# KiCad board Teensy_Grovebox.kicad_pcb (continued)
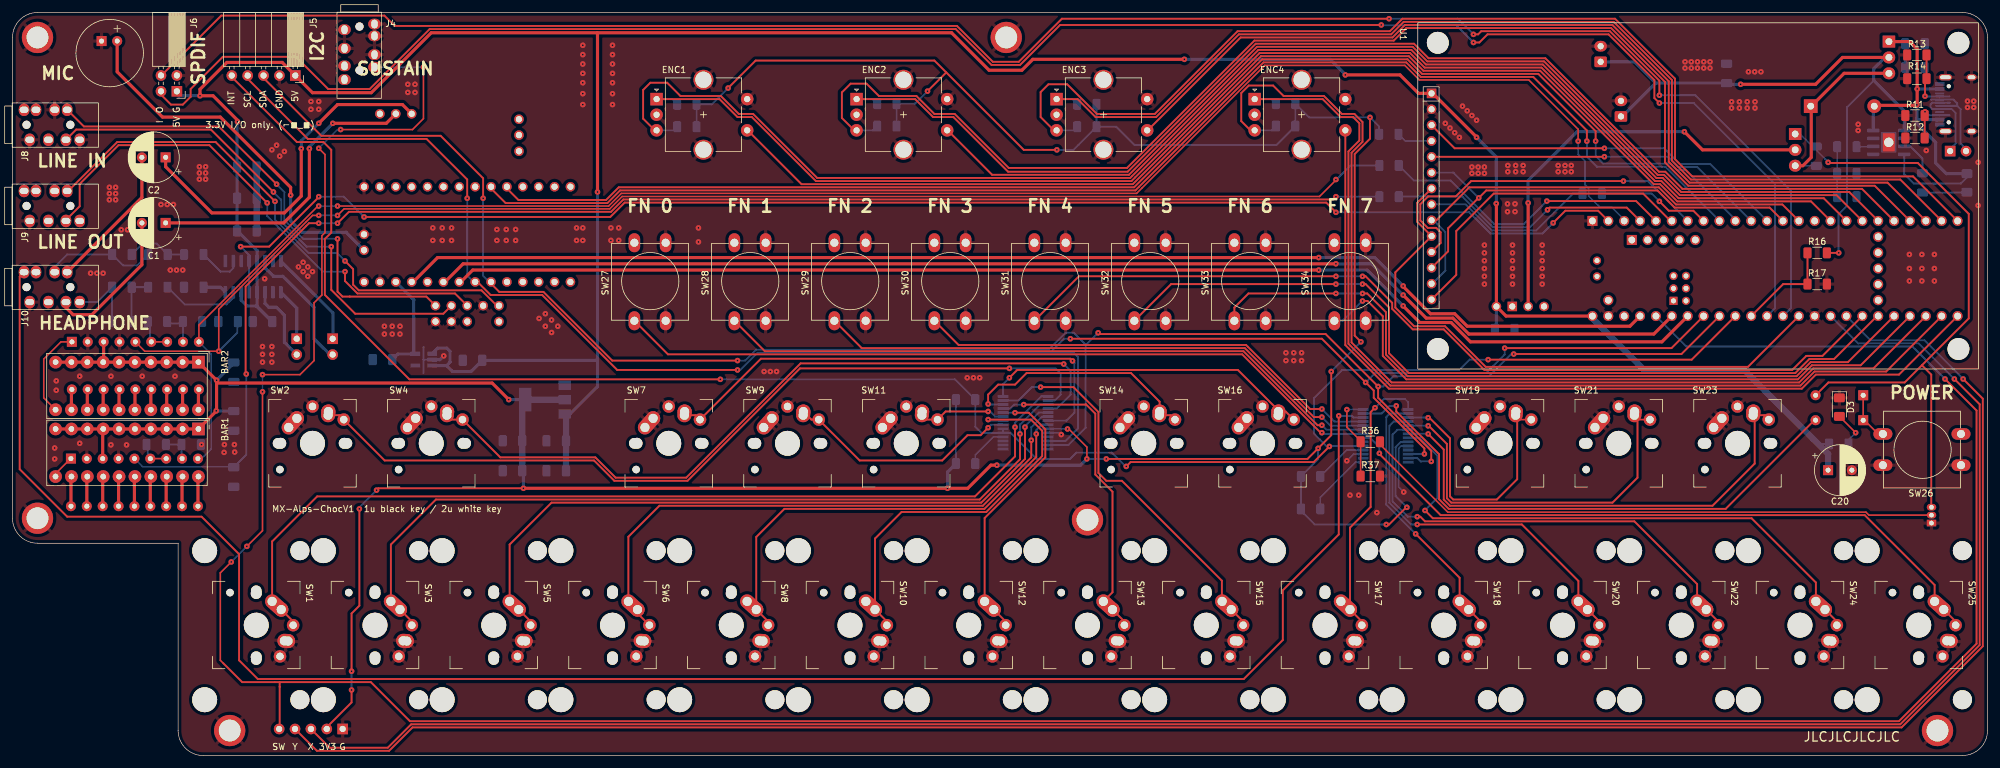
[diagram p0: board, top side]
## Nets (continued)
USB Device D-: J1.A7 J1.B7 J7.2
VUSB: C12.1 D1.2 D2.2 J1.A4 J1.A9 J1.B4 J1.B9 Q1.1 R32.1 U9.4 U9.8
Net-(BAR1-Pad11): BAR1.11 U7.1
Net-(BAR1-Pad12): BAR1.12 U7.18
Net-(BAR1-Pad13): BAR1.13 U7.17
Net-(BAR1-Pad14): BAR1.14 U7.16
Net-(BAR1-Pad15): BAR1.15 U7.15
Net-(BAR1-Pad16): BAR1.16 U7.14
Net-(BAR1-Pad17): BAR1.17 U7.13
Net-(BAR1-Pad18): BAR1.18 U7.12
Net-(BAR1-Pad19): BAR1.19 U7.11
Net-(BAR1-Pad20): BAR1.20 U7.10
Net-(BAR2-Pad11): BAR2.11 U8.1
Net-(BAR2-Pad12): BAR2.12 U8.18
Net-(BAR2-Pad13): BAR2.13 U8.17
Net-(BAR2-Pad14): BAR2.14 U8.16
Net-(BAR2-Pad15): BAR2.15 U8.15
Net-(BAR2-Pad16): BAR2.16 U8.14
Net-(BAR2-Pad17): BAR2.17 U8.13
Net-(BAR2-Pad18): BAR2.18 U8.12
Net-(BAR2-Pad19): BAR2.19 U8.11
Net-(BAR2-Pad20): BAR2.20 U8.10
Net-(C1-Pad1): C1.1 U2.42
Net-(C2-Pad1): C2.1 U2.41
Net-(C3-Pad1): C3.1 C4.1 R21.1
Net-(C5-Pad1): C5.1 C6.1 R22.1
Net-(C11-Pad1): C11.1 U6.8
Net-(C13-Pad1): C13.1 R23.2 U7.5
Net-(C14-Pad1): C14.1 R24.2 U8.5
Net-(D1-Pad1): D1.1 Q1.3 Q2.3 R33.1
Net-(D2-Pad1): D2.1 R34.2
Net-(D3-Pad2): D3.2 R35.1
Net-(D4-Pad1): D4.1 D5.1 SW26.1
Net-(D4-Pad2): D4.2 Q2.1 Q3.3 R33.2
Net-(ENC1-PadA): ENC1.A R1.2 U3.17
Net-(ENC1-PadB): ENC1.B R2.2 U3.18
Net-(ENC1-PadS1): ENC1.S1 U3.16
Net-(ENC2-PadA): ENC2.A R3.2 U3.20
Net-(ENC2-PadB): ENC2.B R4.2 U3.21
Net-(ENC2-PadS1): ENC2.S1 U3.19
Net-(ENC3-PadA): ENC3.A R5.2 U3.23
Net-(ENC3-PadB): ENC3.B R6.2 U3.24
Net-(ENC3-PadS1): ENC3.S1 U3.22
Net-(ENC4-PadA): ENC4.A R7.2 U3.26
Net-(ENC4-PadB): ENC4.B R8.2 U3.27
Net-(ENC4-PadS1): ENC4.S1 U3.25
Net-(J1-PadA5): J1.A5 R13.1 R14.1
Net-(J1-PadB5): J1.B5 R11.1 R12.1
Net-(LS1-Pad1): LS1.1 U6.1
Net-(LS1-Pad2): LS1.2 U6.3
Net-(LS2-Pad1): LS2.1 U6.16
Net-(LS2-Pad2): LS2.2 U6.14
Net-(MK1-Pad2): MIC.2 U2.15
Net-(Q2-Pad2): Q2.2 U10.2
Net-(Q3-Pad2): Q3.2 R36.1
Net-(R9-Pad2): R9.2 U1.4
Net-(R10-Pad1): R10.1 U1.8
Net-(R10-Pad2): R10.2 U3.8
Net-(R16-Pad1): R16.1 R17.2 U3.38
Net-(R18-Pad2): R18.2 U4.18
Net-(R19-Pad2): R19.2 U4.15
Net-(R20-Pad2): R20.2 U5.18
Net-(R21-Pad2): R21.2 U6.7
Net-(R22-Pad2): R22.2 U6.10
Net-(R25-Pad1): R25.1 R28.1 R29.2
Net-(R26-Pad2): R26.2 R30.1 U7.8
Net-(R27-Pad2): R27.2 R31.1 U8.8
Net-(R29-Pad1): R29.1 U9.2
Net-(R30-Pad2): R30.2 U7.6 U7.7
Net-(R31-Pad2): R31.2 U8.6 U8.7
Net-(R34-Pad1): R34.1 U9.7
Net-(SW1-Pad1): SW1.1 U5.1
Net-(SW2-Pad1): SW2.1 U5.2
Net-(SW3-Pad1): SW3.1 U5.3
Net-(SW4-Pad1): SW4.1 U5.4
Net-(SW5-Pad1): SW5.1 U5.5
Net-(SW6-Pad1): SW6.1 U5.6
Net-(SW7-Pad1): SW7.1 U5.7
Net-(SW8-Pad1): SW8.1 U5.8
Net-(SW9-Pad1): SW9.1 U5.21
Net-(SW10-Pad1): SW10.1 U5.22
Net-(SW11-Pad1): SW11.1 U5.23
Net-(SW12-Pad1): SW12.1 U5.24
Net-(SW13-Pad1): SW13.1 U5.25
Net-(SW14-Pad1): SW14.1 U5.26
Net-(SW15-Pad1): SW15.1 U5.27
Net-(SW16-Pad1): SW16.1 U5.28
Net-(SW17-Pad1): SW17.1 U4.1
Net-(SW18-Pad1): SW18.1 U4.2
Net-(SW19-Pad1): SW19.1 U4.3
Net-(SW20-Pad1): SW20.1 U4.4
Net-(SW21-Pad1): SW21.1 U4.5
Net-(SW22-Pad1): SW22.1 U4.6
Net-(SW23-Pad1): SW23.1 U4.7
Net-(SW24-Pad1): SW24.1 U4.8
Net-(SW25-Pad1): SW25.1 U4.21
Net-(U1-Pad3): U1.3 U3.12
Net-(U1-Pad5): U1.5 U3.11
Net-(U1-Pad10): U1.7 U1.10 U3.35
Net-(U1-Pad11): U1.11 U3.7
Net-(U1-Pad12): U1.6 U1.12 U3.13
Net-(U1-Pad13): U1.9 U1.13 U3.14
Net-(U1-Pad14): U1.14 U3.6
Net-(U2-Pad9): U2.9 U3.9
Net-(U2-Pad10): U2.10 U3.10
Net-(U2-Pad24): U2.24 U3.42
Net-(U2-Pad25): U2.25 U3.43
Net-(U2-Pad27): U2.27 U3.45

Pads without a net: J1 A8 B8; J4 4; J8 2 5 6; J9 2 4 5 6 7; J10 2 6; U2 2 3 4 5 6 7 8 11 12 13 14 17 18 19 20 21 26 30 38 39 40 43 45 46; U3 15 46 49 50 51 52 53 54 55 56 57 58 59 60 61 62 63 64 65 66 67; U4 11 14; U5 11 14; U6 9; U10 1; U12 4

## Via types
v1: diameter 0.9, hole 0.3, Top to Bottom, 372 vias

## Routing (per net, layer and track width the routed paths; a pad name or vN(x,y) marks a point on that pad's centre or on a via; arc(x,y) is an arc through that point)
+3.3VA: length 16.9
  Bottom w0.5: C24.1 61.66,64.3 64.4,64.3 U12.5 64.2,64.6 64.2,72.98 U2.28
+3V3: length 659.5
  Top w0.25: v1(171.9,47.5) 171.9,49.4 169,52.3 v1(168.8,52.3) ; BAR1.10 BAR1.9 BAR1.8 BAR1.7 BAR1.6 BAR1.5 BAR1.4 BAR1.3 BAR1.2 BAR1.1 ; BAR2.1 BAR2.2 BAR2.3 BAR2.4 BAR2.5 BAR2.6 BAR2.7 BAR2.8 BAR2.9 BAR2.10
  Top w0.3: v1(219.8,37) 220.25,37 223,39.75 v1(223.1,39.75) ; v1(211,61.5) 211,51.3 v1(208.9,49.2) 207.2,47.5 v1(175,47.5) ; v1(54.25,10.5) 54.25,8.5 50.53,4.78 50.53,4 ; v1(58.25,42.5) 58.55,42.8 v1(81.75,42.8) ; v1(114.5,106.9) 118.9,111.3 147.5,111.3 149.4,109.4 ; v1(217.2,102.2) 217.2,98.79 214.75,96.34 214.75,67.25 v1(215.75,66.25) ; 149.4,109.4 v1(146.4,106.4) ; 149.4,109.4 161.8,97 v1(167.1,97) ; v1(54.25,13.5) 54.25,22.75 55.5,24 v1(55.5,39.5)
  Top w0.5: v1(81.75,42.8) v1(149.6,42.8) 152.85,42.8 156.55,46.5 v1(157.5,46.5) ; U7.3 14.43,52.22 BAR1.7 ; v1(79.4,57) 76.75,59.65 32.65,59.65 v1(32.65,60.1) ; U8.3 14.58,63.07 BAR2.7 ; v1(32.65,60.1) 32.65,55.2 BAR1.1 BAR1.10 ; v1(32.65,60.1) BAR2.1 BAR2.10
  Bottom w0.25: R15.2 R20.1 ; R2.1 R1.1 ; v1(168.8,52.3) 168.78,52.32 165.7,52.32 ; R4.1 R3.1
  Bottom w0.3: R9.1 218.65,100.75 v1(217.2,102.2) 207.45,102.2 R7.1 R8.1 202.25,97.8 179.5,97.8 176.6,100.7 R6.1 ; v1(223.1,39.75) 221.3,41.55 221.3,49.37 222.15,50.22 U4.9 ; v1(146.4,106.4) 144.4,104.4 R3.1 ; v1(208.9,49.2) 208.9,47.45 R18.1 206.15,39.2 208.35,37 v1(219.8,37) ; v1(58.25,42.5) 55.5,39.75 v1(55.5,39.5) ; v1(167.1,97) 169.75,97 R6.1 ; R6.1 R5.1 ; v1(114.5,106.9) 111.9,104.3 R1.1 ; v1(215.75,66.25) v1(211,61.5) ; v1(171.9,47.5) v1(175,47.5) ; v1(54.25,13.5) v1(54.25,10.5)
  Bottom w0.5: v1(32.6,55.2) 32.64,55.16 35.2,55.16 ; C23.1 81.56,45.44 81.75,45.25 v1(81.75,42.8) ; v1(149.6,42.8) 149.6,45.4 R20.1 ; U11.2 v1(79.4,57) ; v1(171.9,47.5) 170.9,46.5 v1(157.5,46.5) ; v1(32.65,60.1) 35.4,62.85 C16.1
  Bottom w1: U11.2 U11.2 81.56,56.51 C25.1 C23.1
+5V: length 481.8
  Top w0.5: 93.55,115.75 93.6,115.7 v1(93.6,90.25) ; 93.55,115.75 150.25,115.75 156.25,109.75 161.5,109.75 163.25,111.5 v1(187.5,111.5) ; 93.55,115.75 67,115.75 57.4,106.15 48,106.15 43.15,111 34.3,111 30,106.7 v1(30,105.66) 32.09,105.66 36,101.75 v1(36,101.5) ; v1(234.25,99) 234.25,99.05 227.25,106.04 U1.1 224.95,106.04 222,109 v1(213.25,109) ; U3.48 238.96,70.38 U10.4 237.43,88.38 v1(237.4,88.4)
  Bottom w0.25: 288.2,50.7 289,49.9 R35.2
  Bottom w0.5: U12.3 69.45,62.45 ; 69.45,62.45 70,63 70,64.75 69.5,65.25 68.05,65.25 U12.1 ; 69.45,62.45 70.4,61.5 73.36,61.5 C22.1 93.4,63.3 93.6,63.1 ; v1(187.5,111.5) 210.82,111.5 213.25,109.07 v1(213.25,109) ; v1(30,105.66) 26.62,105.66 26.3,105.97 ; v1(234.25,99) 237.4,95.85 v1(237.4,88.4) ; 237.19,68.75 237.43,68.99 U10.4 ; 93.6,63.1 93.6,59.1 89.2,54.7 U11.3 ; 93.6,63.1 v1(93.6,90.25) ; v1(36,101.5) 35.94,101.44 C7.1 C8.1 C9.1 36,84 39.14,80.87 U6.13 U6.4 39.14,71.93 C10.1 41.5,69.5 39,72 37.5,72 36.59,72.91 U6.6
  Bottom w1: 288.1,50.7 277.05,61.75 261.05,61.75 252.79,70.01 U3.48 ; 288.2,50.6 290.5,48.3 C20.1 ; U11.3 88.56,54.49 C19.1 C21.1
GND: length 32.3
  Bottom w0.25: v1(213.5,47.2) 214.57,48.28 216.1,48.28 ; R26.1 v1(30.25,49.8) ; U4.10 222.18,49.57 221.77,49.17 221.77,43.03 v1(222.6,42.2) ; U5.10 167.53,51.68 v1(167.8,51.4)
  Bottom w0.3: 65.75,63.4 65.75,65.35 65.8,65.4 ; 65.75,63.4 U12.2 ; 65.75,63.4 65.75,61.25
  Bottom w0.5: v1(69,64) 68.4,63.4 U12.2
  Bottom w1: C9.2 C8.2 C7.2
  vias: v1(6.75,49.25) v1(6.75,47.5) v1(7,60) v1(7,58.5) v1(10.75,60.75) v1(10.75,50) v1(12.5,77.25) v1(13.5,77.25) v1(14.5,77.25) v1(15.5,91) v1(15.5,90) v1(15.5,89) v1(15.75,60.75) v1(15.75,49.75) v1(16.5,91) v1(16.5,90) v1(16.5,89) v1(17.4,84.2) v1(18.25,49.75) v1(18.4,84.2) v1(20.75,60.75) v1(23.75,88.25) v1(24.75,88.25) v1(25.25,77.75) v1(25.75,88.25) v1(26,60.75) v1(26.25,77.75) v1(27.25,77.75) v1(29.9,94.3) v1(29.9,93.3) v1(29.9,92.3) v1(30.9,94.3) v1(30.9,93.3) v1(30.9,92.3) v1(33.85,48.55) v1(33.9,49.8) v1(35.5,49.8) v1(35.55,48.6) v1(40,65.5) v1(40,64.25) v1(40,63) v1(40.35,76.35) v1(41.5,97) v1(41.5,65.5) v1(41.5,64.25) v1(41.5,63) v1(42.25,97.75) v1(42.75,96) v1(43.5,96.75) v1(45.75,78.25) v1(46.5,79) v1(46.5,77.5) v1(47.25,78.25) v1(47.25,76.75) v1(47.75,104.75) v1(47.75,103.5) v1(48,77.5) v1(49,104.75) v1(49,103.5) v1(59.5,68.75) v1(59.5,67.5) v1(60.75,68.75) v1(60.75,67.5) v1(62,68.75) v1(62,67.5) v1(63.25,107.5) v1(63.25,106.2) v1(64.4,107.5) v1(64.4,106.2) v1(67.25,84.5) v1(67.25,82.5) v1(68.75,84.5) v1(68.75,82.5) v1(70.25,84.5) v1(70.25,82.5) v1(77.5,84.25) v1(77.5,82.5) v1(79,84.25) v1(79,82.5) v1(80.5,84.25) v1(80.5,82.5) v1(84.25,70) v1(85.25,70.75) v1(85.25,68.75) v1(86.25,69.75) v1(86.25,67.75) v1(87.25,68.75) v1(90.25,84.5) v1(90.25,82.5) v1(91.25,113.75) v1(91.25,112.25) v1(91.25,110.75) v1(91.25,109.25) v1(91.25,107.75) v1(91.25,106) v1(91.25,104.25) v1(91.25,84.5) v1(91.25,82.5) v1(95.75,84.5) v1(95.75,82.5) v1(96,113.75) v1(96,112.25) v1(96,110.75) v1(96,109.25) v1(96,107.75) v1(96,106) v1(96,104.25) v1(97,84.5) v1(97,82.5) v1(109.75,84.5) v1(109.75,82.25) v1(120.25,61.5) v1(121.25,61.5) v1(122.25,61.5) v1(152.75,60.5) v1(153.75,60.5) v1(154.75,60.5) v1(203.75,64.5) v1(203.75,63.25) v1(205,64.5) v1(205,63.25) v1(206.25,64.5) v1(206.25,63.25) v1(214,41.7) v1(215.4,41.7) v1(218.3,38.9) v1(229.25,101.25) v1(230,100.5) v1(230.75,99.75) v1(231.5,99) v1(232,104) v1(232.75,103.25) v1(233.5,102.5) v1(233.5,94.25) v1(233.5,93.25) v1(234.25,101.75) v1(234.5,94.25) v1(234.5,93.25) v1(235.5,94.25) v1(235.5,93.25) v1(235.5,81.75) v1(235.5,80.5) v1(235.5,79.25) v1(235.5,78) v1(235.5,76.75) v1(235.5,75.5) v1(239.25,94.5) v1(239.25,93.5) v1(239.2,88.35) v1(239.2,87.1) v1(240,81.75) v1(240,80.5) v1(240,79.25) v1(240,78) v1(240,76.75) v1(240,75.5) v1(240.4,88.35) v1(240.4,87.1) v1(240.5,94.5) v1(240.5,93.5) v1(241.7,94.5) v1(241.7,93.5) v1(244.75,81.75) v1(244.75,80.5) v1(244.75,79.25) v1(244.75,78) v1(244.75,76.75) v1(244.75,75.5) v1(247.3,94.5) v1(247.3,93.5) v1(248.4,94.5) v1(248.4,93.5) v1(249.4,94.5) v1(249.4,93.5) v1(267.6,111.1) v1(267.6,110.1) v1(268.6,111.1) v1(268.6,110.1) v1(269.6,111.1) v1(269.6,110.1) v1(270.6,111.1) v1(270.6,110.1) v1(271.6,111.1) v1(271.6,110.1) v1(275.05,104.7) v1(275.05,103.7) v1(276.3,104.7) v1(276.3,103.7) v1(277.55,104.7) v1(277.55,103.7) v1(277.75,109.5) v1(278.75,109.5) v1(278.8,104.7) v1(278.8,103.7) v1(279.75,109.5) v1(295.3,101.1) v1(295.3,100.1) v1(303.5,80.25) v1(303.5,78) v1(303.5,76) v1(305.5,80.25) v1(305.5,78) v1(305.5,76) v1(306.2,96.9) v1(307.5,80.25) v1(307.5,78) v1(307.5,76) v1(312.8,104.8) v1(312.8,103.8) v1(313.8,104.8) v1(313.8,103.8) v1(314.5,95) v1(314.5,88.1)
+BATT: length 104.1
  Top w0.3: v1(292.2,80.5) R16.2
  Top w0.5: Q1.2 292.8,111.8 288.5,107.5 v1(276.5,107.5)
  Bottom w0.3: v1(292.2,80.5) 292.15,80.55 292.15,86.65 293.5,88 293.5,103.8 297.8,108.1
  Bottom w0.5: 262.9,107.7 257.55,102.35 J3.1 ; 262.9,107.7 259.5,111.1 J2.1 ; 262.9,107.7 274.24,107.7 C15.1 274.44,107.5 v1(276.5,107.5) ; U9.5 302.68,103.22 297.8,108.1 297.8,110 299.6,111.8 Q1.2
AMP_L: length 11.7
  Bottom w0.3: J10.4 13.55,72.62 C3.2 C4.2
AMP_R: length 18
  Bottom w0.3: C6.2 19.94,78.5 17.69,78.5 C5.2 8.75,80.25 6.75,78.25 J10.7
AMP_SHDN: length 236.6
  Top w0.3: v1(49,89.5) 49,89.43 41.07,81.5 v1(36.5,81.5) ; v1(246.5,85.3) 248.45,87.25 253.7,87.25 U3.2 ; v1(211.75,87) 210.2,88.55 97.95,88.55 95.64,86.25 v1(56.25,86.25)
  Bottom w0.3: v1(246.5,85.3) 244.8,83.6 236.47,83.6 233.07,87 v1(211.75,87) ; v1(49,89.5) 53,89.5 v1(56.25,86.25) ; U6.5 U6.12 37.86,80.13 v1(36.5,81.5)
BAR1 OUT: length 42.9
  Top w0.3: v1(245.6,87.4) 245.95,87.75 258.28,87.75 U3.4
  Bottom w0.3: 231.98,89.5 231.99,89.49 ; 231.99,89.49 231.93,89.55 221.85,89.55 R23.1 ; 231.99,89.49 236.88,84.6 242.8,84.6 v1(245.6,87.4)
BAR2 OUT: length 47.9
  Top w0.3: U3.5 259.77,88.8 v1(245.5,88.8)
  Bottom w0.3: v1(245.5,88.8) 241.8,85.1 237.09,85.1 230.09,92.1 224.2,92.1 R24.1
BAR MODE: length 284.4
  Top w0.25: v1(52,88) 95.38,88 97.41,90.03 179.86,90.03 180.72,90.89 200.36,110.53 222.77,110.53 225.1,108.2 242.6,108.2 250.5,100.3 v1(250.5,98.4) ; U8.9 29.82,68.94 48.88,88 v1(49,88)
  Bottom w0.25: v1(250.5,98.4) 250.5,96.3 251.6,95.2 251.6,91.44 252.17,90.86 252.17,89.63 254,87.8 255.9,87.8 257.87,85.83 U3.3 ; v1(49,88) v1(52,88) ; U7.9 30.25,47.55 31.8,49.1 31.8,64.27 U8.9
EXPANDER_INT: length 309.7
  Top w0.3: v1(178.2,46.3) 178.9,47 208.2,47 v1(210.7,49.5) ; v1(236.1,63.4) 268.67,63.4 U3.39 ; 35.09,108.5 35.25,108.5 45.5,98.25 49.75,98.25 51,97 51,83.75 49.97,82.72 49.97,73.78 63.5,60.25 v1(113.25,60.25)
  Bottom w0.3: U5.19 159.68,51.68 163.85,47.5 169.2,47.5 170.2,48.5 175.9,48.5 178.1,46.3 v1(178.2,46.3) ; U5.19 158.5,52.32 ; U5.19 155.03,51.68 154.05,52.65 R15.1 150.8,60.25 v1(113.25,60.25) ; U4.20 U4.19 210.78,49.57 v1(210.7,49.5) 210.3,49.5 208.25,51.55 208.25,57.25 212.75,61.75 231.5,61.75 233.15,63.4 v1(236.1,63.4)
FN_SW0: length 124.1
  Top w0.3: SW27.1 104.88,64.25 196.75,64.25 209.3,51.7 v1(209.5,51.7)
  Bottom w0.3: v1(209.5,51.7) 209.7,51.5 216.07,51.5 U4.22
FN_SW1: length 107.8
  Top w0.3: SW28.1 120.38,64.75 196.96,64.75 208.81,52.9 v1(209.5,52.9)
  Bottom w0.3: v1(209.5,52.9) 210.2,52.2 216.07,52.2 216.1,52.18
FN_SW2: length 91.6
  Top w0.3: SW29.1 135.88,65.25 197.16,65.25 208.21,54.2 v1(209.5,54.2)
  Bottom w0.3: v1(209.5,54.2) 210.88,52.82 U4.24
FN_SW3: length 75.3
  Top w0.3: SW30.1 151.38,65.75 197.37,65.75 207.62,55.5 v1(209.5,55.5)
  Bottom w0.3: U4.25 211.53,53.47 v1(209.5,55.5)
FN_SW4: length 145.8
  Top w0.3: U3.31 289.59,64 287.01,64 284.75,61.75 235.5,61.75 229,68.25 224.04,68.25 220.75,71.54 220.75,72.5 216.5,76.75 v1(216,76.75) ; v1(211.75,76.75) 170.62,76.75 SW31.1
  Bottom w0.3: v1(211.75,76.75) v1(216,76.75)
FN_SW5: length 135.4
  Top w0.3: SW32.1 185.38,75.5 v1(211.75,75.5) ; U3.30 298.33,70.38 291.45,63.5 287.5,63.5 285.25,61.25 223.42,61.25 220.25,64.41 220.25,71.75 216.5,75.5 v1(216,75.5)
  Bottom w0.3: v1(211.75,75.5) v1(216,75.5)
FN_SW6: length 122.1
  Top w0.3: U3.29 293.67,63 287.71,63 285.45,60.75 223.21,60.75 219.75,64.21 219.75,64.5 219.75,71 216.75,74 v1(216,74) ; v1(211.75,74) 197.75,74 195.5,71.75 SW33.1
  Bottom w0.3: v1(216,74) v1(211.75,74)
FN_SW7: length 106.5
  Top w0.3: v1(216,72.8) 216.8,72.8 219.25,70.35 219.25,64 223,60.25 285.66,60.25 287.91,62.5 295.71,62.5 U3.28
  Bottom w0.3: SW34.1 212.82,69.62 v1(216,72.8)
HP_DETECT: length 304
  Top w0.3: v1(212.2,54.4) 212.2,35.41 203.25,26.46 203.25,18.5 197,12.25 39.25,12.25 36.25,15.25 36.25,32.25 30.25,38.25 8.75,38.25 1.15,45.85 1.15,76.72 J10.5
  Bottom w0.3: U4.26 214.57,54.12 214.3,54.4 v1(212.2,54.4)
HP_OUT_L: length 23.3
  Top w0.5: J10.8 20.7,89.37 20.7,95.8 C2.2
HP_OUT_R: length 24.1
  Top w0.3: J10.3 8.55,71.91
  Top w0.5: J10.3 8.55,71.75 9.7,70.6 12.7,70.6 20.7,78.6 20.7,85.2
I2C1 SCL: length 311.1
  Top w0.3: v1(238.75,65.25) 265.44,65.25 U3.41 ; 37.63,108.5 37.63,108.37 47.25,98.75 66.25,98.75 72.75,92.25 v1(72.75,89.25) ; v1(116,61.75) 96.75,61.75 84.75,73.75 76.5,73.75 74.66,75.59 74.01,75.59 ; v1(169.25,66.75) 209.5,66.75 217.8,58.45 217.8,57.29 225.9,49.19 v1(225.9,48.3)
  Bottom w0.3: U5.12 168.47,50.38 170.5,52.4 170.5,63.8 169.8,64.5 166,64.5 ; 166,64.5 119.21,64.5 116.46,61.75 v1(116,61.75) ; 166,64.5 168.25,66.75 v1(169.25,66.75) ; v1(72.75,89.25) 72.75,76.85 74.01,75.59 ; v1(225.9,48.3) 223.32,48.3 223.3,48.28 ; v1(216.5,59.75) 218,61.25 235.75,61.25 238.75,64.25 v1(238.75,65.25)
I2C1 SDA: length 312.7
  Top w0.3: v1(173.7,67.7) 173.9,67.5 210.1,67.5 218.7,58.9 ; 40.17,108.5 49.42,99.25 68.5,99.25 75.3,92.45 v1(75.3,89.25) ; v1(116,63.25) 95.96,63.25 84.96,74.25 77.89,74.25 76.55,75.59 ; v1(240.2,64.3) 267.03,64.3 U3.40 ; v1(227,47.1) 227,48.79 218.5,57.29 v1(218.5,59.1)
  Bottom w0.3: v1(75.3,89.25) 75.3,76.84 76.55,75.59 ; v1(240.2,64.3) 239.8,64.3 236.25,60.75 220.94,60.75 219.29,59.1 v1(218.5,59.1) ; 171.75,65.75 171.7,65.7 171.7,52.5 168.93,49.72 165.7,49.72 ; 171.75,65.75 169.8,67.7 168.49,67.7 165.79,65 119,65 117.25,63.25 v1(116,63.25) ; 171.75,65.75 v1(173.7,67.7) ; v1(227,47.1) 225.3,47.1 224.77,47.62 U4.13
JOY_SW: length 520.3
  Top w0.25: v1(49,97.25) 50,96.25 50,83.75 49.5,83.25 49.5,73.75 48.25,72.5 48.25,63.25 46,61 v1(40,61) ; v1(65.75,110.25) 65.75,102 64,100.25 v1(52.5,100.25) ; v1(35,31) 33.25,29.25 33.25,15.25 33.75,14.75 ; v1(37.5,33.5) 40,36 v1(40,58.25)
  Top w0.3: 42.75,4.16 42.75,11 42.75,11.75 ; 42.75,11.75 57.33,11.75 63.59,5.5 301.84,5.5 314.25,17.91 314.25,55.25 v1(309.2,60.3) ; 42.75,11.75 36.75,11.75 33.75,14.75
  Bottom w0.25: v1(52.5,100.25) 52,100.25 v1(49,97.25) ; v1(37.5,33.5) v1(35,31) ; v1(40,61) v1(40,58.25) ; v1(65.75,110.25) J4.8
  Bottom w0.3: U3.44 267.83,65.5 304,65.5 v1(309.2,60.3)
JOY_X: length 343
  Top w0.3: 48,4 50.75,1.25 60.04,1.25 63.79,5 302.04,5 314.75,17.71 314.75,56.25 v1(310.7,60.3)
  Bottom w0.3: U3.33 295.27,66 305,66 v1(310.7,60.3)
JOY_Y: length 345
  Top w0.3: 45.45,4 48.7,0.75 60.25,0.75 64,4.5 302.25,4.5 315.25,17.5 315.25,57.15 v1(312.1,60.3)
  Bottom w0.3: v1(312.1,60.3) 312.1,60.31 305.91,66.5 297.31,66.5 U3.32
LINE_IN_L: length 79.5
  Top w0.3: v1(42.25,91.5) 33,100.75 11.42,100.75 J8.8 ; U2.35 66.22,73.5 53.96,73.5 53.96,73.5 52.79,73.5 52,74.29 v1(52,82.75)
  Bottom w0.3: v1(52,82.75) 46.5,82.75 43.5,85.75 43.5,90.25 v1(42.25,91.5)
LINE_IN_R: length 81.2
  Top w0.3: J8.3 10.18,100.25 31.75,100.25 v1(41.75,90.25) ; v1(51,81.5) 51,74.59 54.84,70.75 68.93,70.75 U2.34
  Bottom w0.3: v1(41.75,90.25) 43,89 43,85.55 47.05,81.5 v1(51,81.5)
LINE_OUT_L: length 86.4
  Top w0.3: U2.31 77.5,72.04 75.04,74.5 55.4,74.5 54.5,75.4 54.5,77.9 v1(53.2,79.2) ; J9.8 8.92,90.42 16.75,98.25 32.5,98.25 v1(42,88.75)
  Bottom w0.3: v1(42,88.75) 42,85.84 47.34,80.5 51.9,80.5 v1(53.2,79.2)
LINE_OUT_R: length 84.2
  Top w0.3: U2.33 70.8,74 55.19,74 53.2,75.99 v1(53.2,77.5) ; J9.3 8.55,85.76 10.75,87.96 10.75,91.54 16.96,97.75 31.5,97.75 v1(40.75,88.5)
  Bottom w0.3: v1(40.75,88.5) 40.75,86.38 49.63,77.5 v1(53.2,77.5)
PWR_BTN Pin: length 90.4
  Top w0.3: v1(221.4,56) 221.4,55.1 228.25,48.25 228.25,41.04 229.79,39.5 274.1,39.5 288.49,53.89
  Bottom w0.3: 216.1,54.78 219.07,54.78 220.3,56 v1(221.4,56)
PWR_ON Pin: length 14.4
  Top w0.25: R36.2 R37.2 ; 215.95,50.15 213.5,52.6 v1(213.5,55.4)
  Bottom w0.25: v1(213.5,55.4) 213.53,55.43 U4.28
SPDIF_IN: length 309
  Top w0.3: v1(263.5,104.5) 262.7,105.3 262.7,108.17 255.37,115.5 236,115.5 234.7,114.2 v1(233.75,114.2) ; 23.76,105.97 23.76,105.84 25.35,104.25 27.25,104.25 28.5,105.5 28.5,106.75 33.65,111.9 45.35,111.9 50.5,106.75 57.15,106.75 66.75,116.35 150.9,116.35 156.65,110.6 161.21,110.6 167.61,117 v1(219,117)
  Bottom w0.3: v1(263.5,104.5) 269,104.5 282,91.5 282,71.65 U3.37 ; v1(219,117) 219.05,116.95 231,116.95 v1(233.75,114.2)
SPDIF_OUT: length 304.5
  Top w0.3: 23.76,108.86 33.4,118.5 59.5,118.5 61.15,116.85 151.11,116.85 156.86,111.1 161,111.1 167.9,118 v1(220.25,118) ; v1(263.5,105.75) 263.5,108.07 255.57,116 235,116 234.5,115.5 v1(233.75,115.5)
  Bottom w0.3: v1(263.5,105.75) 269.25,105.75 284.55,90.45 284.55,71.66 U3.36 ; v1(220.25,118) 231.25,118 v1(233.75,115.5)
USB Device D+: length 14.8
  Bottom w0.3: 309.6,104.55 309.95,104.55 308.36,104.55 307.15,104.55 306.9,104.3 306.9,103.8 307.15,103.55 310.25,103.55 310.9,102.9 310.9,98 310.02,97.12 J7.1
USB Device D-: length 15.4
  Bottom w0.3: 311.15,104.05 311.15,104.45 310.55,105.05 307,105.05 ; 311.15,104.05 308.36,104.05 ; 311.15,104.05 311.7,103.5 311.7,98 312.56,97.13 J7.2
VUSB: length 70.4
  Top w0.5: D1.2 298,104.12 304.62,104.12 v1(304.7,104.2) 304.75,104.25 v1(304.75,106.75) 304.75,113.15 303.56,114.34 Q1.1
  Bottom w0.3: 307.37,91.6 311.71,91.6 313.3,93.19 ; U9.8 302.68,93.12 304.2,91.6 307.8,91.6
  Bottom w0.5: 308.01,101.85 304.85,101.85 304.7,102 ; 313.3,93.19 309.41,93.19 307.7,94.9 307.7,98.2 304.7,101.2 304.7,102 ; R32.1 302.84,110.21 C12.1 302.5,114.34 Q1.1 ; 304.7,102 v1(304.7,104.2) ; U9.4 297.73,103.84 D1.2 ; 308.01,106.75 v1(304.75,106.75)
Net-(BAR1-Pad11): length 3.9
  Top w0.25: 9.35,47.6 6.89,45.14 BAR1.11
Net-(BAR1-Pad12): length 4.8
  Top w0.5: BAR1.12 9.35,44.6 U7.18
Net-(BAR1-Pad13): length 4.8
  Top w0.5: U7.17 11.89,44.6 BAR1.13
Net-(BAR1-Pad14): length 4.8
  Top w0.5: U7.16 14.43,44.6 BAR1.14
Net-(BAR1-Pad15): length 4.8
  Top w0.5: U7.15 16.97,44.6 BAR1.15
Net-(BAR1-Pad16): length 4.8
  Top w0.5: U7.14 19.51,44.6 BAR1.16
Net-(BAR1-Pad17): length 4.8
  Top w0.5: BAR1.17 22.05,44.6 U7.13
Net-(BAR1-Pad18): length 4.8
  Top w0.5: U7.12 24.59,44.6 BAR1.18
Net-(BAR1-Pad19): length 4.8
  Top w0.5: U7.11 27.13,44.6 BAR1.19
Net-(BAR1-Pad20): length 4.8
  Top w0.5: U7.10 29.67,44.6 BAR1.20
Net-(BAR2-Pad11): length 14.5
  Top w0.25: BAR2.11 5,57.27 5,63.5 7.75,66.25 U8.1
Net-(BAR2-Pad12): length 3.3
  Top w0.5: U8.18 9.43,58.56 BAR2.12
Net-(BAR2-Pad13): length 3.3
  Top w0.5: BAR2.13 11.97,58.56 U8.17
Net-(BAR2-Pad14): length 3.3
  Top w0.5: U8.16 14.51,58.56 BAR2.14
Net-(BAR2-Pad15): length 3.3
  Top w0.5: U8.15 17.05,58.56 BAR2.15
Net-(BAR2-Pad16): length 3.3
  Top w0.5: U8.14 19.59,58.56 BAR2.16
Net-(BAR2-Pad17): length 3.3
  Top w0.5: BAR2.17 22.13,58.56 U8.13
Net-(BAR2-Pad18): length 3.3
  Top w0.5: BAR2.18 24.67,58.56 U8.12
Net-(BAR2-Pad19): length 3.3
  Top w0.5: U8.11 27.21,58.56 BAR2.19
Net-(BAR2-Pad20): length 3.3
  Top w0.5: U8.10 29.75,58.56 BAR2.20
Net-(C1-Pad1): length 48.8
  Top w0.5: v1(51.25,101.25) 59.8,101.25 U2.42 ; v1(47.5,97.2) 47.5,89.4 43.4,85.3 C1.1
  Bottom w0.5: v1(47.5,97.2) 47.5,97.5 v1(51.25,101.25)
Net-(C2-Pad1): length 56.9
  Top w0.5: v1(49,101.25) 52,104.25 62.39,104.25 U2.41 ; C2.1 24.5,94.3 31.9,86.9 43.5,86.9 46.2,89.6 v1(46.2,97.2)
  Bottom w0.5: v1(49,101.25) 46.2,98.45 v1(46.2,97.2)
Net-(C3-Pad1): length 8.1
  Bottom w0.3: C4.1 C3.1 R21.1
Net-(C5-Pad1): length 9.8
  Bottom w0.3: R22.1 C6.1 23.06,82 20.81,82 C5.1
Net-(C11-Pad1): length 3.8
  Bottom w0.5: U6.8 33.25,75 C11.1
Net-(C13-Pad1): length 234.2
  Top w0.3: v1(52,85.25) 53.83,87.08 95.76,87.08 97.74,89.05 211.3,89.05 v1(211.75,89.5) ; v1(37.4,61.1) 37.3,61.2 37.3,75.12 47.43,85.25 v1(49,85.25)
  Bottom w0.25: 35,45.81 34.56,46.25 ; 35.25,46.06 35.06,46.25 20.81,46.25 U7.5
  Bottom w0.3: v1(49,85.25) v1(52,85.25) ; v1(211.75,89.5) R23.2 ; C13.1 37.4,48.16 v1(37.4,61.1)
Net-(C14-Pad1): length 221.7
  Top w0.25: U8.5 21.16,64.75 v1(33,64.75) 33,71.49 48.01,86.5 v1(49,86.5) ; v1(211.75,92.25) 211.75,92.16 209.11,89.53 97.54,89.53 95.56,87.55 53.05,87.55 v1(52,86.5)
  Bottom w0.25: v1(49,86.5) v1(52,86.5)
  Bottom w0.3: R24.2 214.09,94.5 211.84,92.25 v1(211.75,92.25) ; 35.96,69.2 35.96,67.71 v1(33,64.75)
Net-(D1-Pad1): length 28.7
  Top w0.5: Q2.3 286.46,94.46 287.8,95.8 287.8,104 293.06,109.26 Q1.3
  Bottom w0.25: 287.99,94.46 Q2.3
Net-(D2-Pad1): length 7.6
  Bottom w0.3: R34.2 313.24,90.15
Net-(D3-Pad2): length 6
  Top w0.25: v1(294.9,51.7) 294.9,51.71 D3.2
  Bottom w0.25: R35.1 293.75,50.55 v1(294.9,51.7)
Net-(D4-Pad1): length 7.9
  Top w0.25: D4.1 296.11,53.9 298.51,51.5 SW26.1
Net-(D4-Pad2): length 102.8
  Top w0.3: 305.5,62.5 307,61 307,39.81 Q3.3 ; 305.5,62.5 313,70 313,86.75 304.85,94.9 290.6,94.9 v1(290.5,95) ; 305.5,62.5 302.75,59.75 290.55,59.75 288.5,57.7 D4.2
  Bottom w0.25: 290,95.55 286.01,99.54 Q2.1
  Bottom w0.3: 290,95.55 290.5,95.05 v1(290.5,95)
Net-(ENC1-PadA): length 219.1
  Top w0.3: U3.17 289.8,89.25 266.57,89.25 263.82,92 262.81,92 244.63,110.17 225.95,110.17 223.62,112.5 199.54,112.5 179.63,92.59 179.04,92 128.54,92 118.29,102.25 116,102.25 113.12,105.12 ENC1.A
  Bottom w0.25: ENC1.A 105.53,105.12 R1.2
Net-(ENC1-PadB): length 232.8
  Top w0.3: U3.18 291.84,89.75 266.77,89.75 264.03,92.5 263.02,92.5 244.84,110.67 226.15,110.67 223.83,113 199.33,113 179.13,92.79 178.83,92.5 128.75,92.5 118.5,102.75 116.21,102.75 113.33,105.62 106.88,105.62 104.75,107.75 102.05,107.75 100.9,106.6 100.9,102 102.78,100.12 ENC1.B
  Bottom w0.25: ENC1.B 105.78,100.12 R2.2
Net-(ENC1-PadS1): length 196.3
  Top w0.3: U3.16 287.76,88.75 266.36,88.75 263.61,91.5 262.6,91.5 244.43,109.67 225.74,109.67 223.41,112 199.75,112 179.25,91.5 126.25,91.5 117.62,100.12 ENC1.S1
Net-(ENC2-PadA): length 194.7
  Top w0.3: ENC2.A 144.42,105.12 147.29,102.25 150.54,102.25 159.29,93.5 178.42,93.5 198.92,114 224.24,114 226.57,111.67 245.25,111.67 263.43,93.5 264.44,93.5 267.19,90.75 295.92,90.75 U3.20
  Bottom w0.3: R3.2 137.62,105.12 ENC2.A
Net-(ENC2-PadB): length 217.5
  Top w0.3: ENC2.B 134.68,100.12 132.7,102.1 132.7,106.2 134.1,107.6 136.65,107.6 138.63,105.62 144.63,105.62 147.5,102.75 150.75,102.75 159.4,94.1 178.32,94.1 198.71,114.5 221,114.5 223,116.5 255.78,116.5 264.4,107.88 264.4,94.98 268.13,91.25 297.96,91.25 U3.21
  Bottom w0.3: R4.2 137.68,100.12 ENC2.B
Net-(ENC2-PadS1): length 172
  Top w0.3: ENC2.S1 149.62,100.12 156.75,93 178.63,93 199.13,113.5 224.03,113.5 226.36,111.17 245.05,111.17 263.22,93 264.24,93 266.98,90.25 293.88,90.25 U3.19
Net-(ENC3-PadA): length 173.5
  Top w0.3: ENC3.A 170.42,105.12 173.29,102.25 182.97,102.25 196.22,115.5 220.59,115.5 222.59,117.5 256.19,117.5 265.5,108.19 265.5,95.29 268.54,92.25 302.04,92.25 U3.23
  Bottom w0.25: ENC3.A 169.53,105.12 R5.2
Net-(ENC3-PadB): length 187.4
  Top w0.3: U3.24 304.08,92.75 268.75,92.75 266,95.5 266,108.4 256.4,118 222.38,118 220.38,116 196.01,116 182.76,102.75 173.5,102.75 168.75,107.5 165.75,107.5 164.5,106.25 164.5,102.25 166.62,100.12 ENC3.B
  Bottom w0.25: R6.2 169.78,100.12 ENC3.B
Net-(ENC3-PadS1): length 152.1
  Top w0.3: U3.22 300,91.75 268.34,91.75 265,95.09 265,107.99 255.99,117 222.79,117 220.79,115 196.5,115 181.62,100.12 ENC3.S1
Net-(ENC4-PadA): length 160.4
  Top w0.3: U3.26 299.79,61.5 288.33,61.5 286.08,59.25 220.44,59.25 213.75,65.94 213.75,96.75 215.5,98.5 215.5,101.25 214.5,102.25 212.5,102.25 209.62,105.12 ENC4.A
  Bottom w0.3: ENC4.A 201.43,105.12 R7.2
Net-(ENC4-PadB): length 168.2
  Top w0.3: ENC4.B 198.07,100.12 196.6,101.6 196.6,106.1 197.8,107.3 201.7,107.3 203.38,105.62 209.83,105.62 212.71,102.75 214.71,102.75 216,101.46 216,98.29 214.25,96.54 214.25,66.15 220.65,59.75 285.87,59.75 288.12,62 297.75,62 U3.27
  Bottom w0.3: R8.2 201.47,100.12 ENC4.B
Net-(ENC4-PadS1): length 140.1
  Top w0.3: U3.25 301.83,61 288.53,61 286.28,58.75 220.24,58.75 213.84,65.15 213.25,65.74 ENC4.S1
Net-(J1-PadA5): length 10.6
  Top w0.3: R13.1 R14.1 306,108.15 v1(306,105.6)
  Bottom w0.3: v1(306,105.6) 306.05,105.55 309.9,105.55
Net-(J1-PadB5): length 8.1
  Top w0.3: v1(306,103.1) 306.2,102.9 ; R11.1 R12.1
  Bottom w0.3: v1(306,103.1) 306.55,102.55 309.95,102.55
Net-(LS1-Pad1): length 8.5
  Bottom w0.5: LS1.1 45.47,71.67 U6.1
Net-(LS1-Pad2): length 12.8
  Bottom w0.5: LS1.2 43.5,66.19 43.5,70.5 42.2,71.8 41,71.8 40.41,72.4 U6.3
Net-(LS2-Pad1): length 15.7
  Bottom w0.5: U6.16 51.25,70.9 51.25,66.97
Net-(LS2-Pad2): length 20.9
  Bottom w0.5: U6.14 40.41,78.09 41.75,76.75 43.25,76.75 48.25,71.75 48.25,66.75 50.79,64.21 51.47,64.21
Net-(MK1-Pad2): length 59.4
  Top w0.5: v1(44.5,89.75) 44.5,91 33.25,102.25 24,102.25 16.75,109.5 MIC.2
  Bottom w0.5: U2.15 53.38,83.8 46.3,83.8 44.5,85.6 v1(44.5,89.75)
Net-(Q2-Pad2): length 67.3
  Top w0.5: U10.2 242.5,88.5 v1(242.5,88.5) ; Q2.2 270.4,97 v1(267.5,99.9)
  Bottom w0.5: v1(242.5,88.5) 242.5,88.5 242.5,92.1 250.3,99.9 v1(267.5,99.9)
Net-(Q3-Pad2): length 92.8
  Top w0.25: 219.05,49.75 219.05,49.57 229.65,38.97 296.55,38.97 297.02,38.5 Q3.2
Net-(R9-Pad2): length 5.7
  Bottom w0.25: R9.2 222.82,98.43 U1.4
Net-(R10-Pad1): length 28.3
  Bottom w0.3: R10.1 249.7,90 243.8,84.1 236.68,84.1 232.51,88.26 U1.8
Net-(R10-Pad2): length 18.1
  Top w0.3: v1(263.5,88.75) 265,87.25 268.94,87.25 U3.8
  Bottom w0.3: R10.2 262.25,90 v1(263.5,88.75)
Net-(R16-Pad1): length 16.1
  Top w0.3: R16.1 R17.2 283.31,75.5 U3.38
Net-(R18-Pad2): length 8.6
  Bottom w0.25: U4.18 213.47,48.93 R18.2
Net-(R19-Pad2): length 11.3
  Bottom w0.25: 209.25,39.2 209.25,41.35 214.88,46.97 U4.15
Net-(R20-Pad2): length 7
  Bottom w0.25: U5.18 156.93,51.03 154.05,48.15 R20.2
Net-(R21-Pad2): length 13
  Bottom w0.3: U6.7 35.33,73.32 34.25,72.25 27.55,72.25 R21.2
Net-(R22-Pad2): length 7.3
  Bottom w0.3: R22.2 33.3,77.5 34.75,77.5 35.33,78.07 U6.10
Net-(R25-Pad1): length 8.5
  Bottom w0.25: 291.95,89 R29.2
Net-(R26-Pad2): length 4.6
  Bottom w0.3: U7.8 27.05,47.63 R26.2 24.8,49.8 24.75,49.75
Net-(R27-Pad2): length 5.5
  Bottom w0.3: 24.75,69.2 27.25,69.2 27.28,69.17 U8.8
Net-(R29-Pad1): length 2.7
  Bottom w0.25: R29.1 297.66,97.5 U9.2
Net-(R30-Pad2): length 4.9
  Top w0.25: U7.6 U7.7
  Bottom w0.3: U7.6 21.65,47.95 21.65,49.75
Net-(R31-Pad2): length 6
  Top w0.25: U8.7 U8.6
  Bottom w0.3: U8.6 22,66.45 22,69.15 R31.2
Net-(R34-Pad1): length 6.1
  Bottom w0.3: R34.1 305.6,95.6 303.63,97.56 U9.7
Net-(SW1-Pad1): length 149.8
  Top w0.3: SW1.1 44.9,21.47 SW1.1 ; v1(160.4,52.6) 160.4,47.9 154,41.5 48.75,41.5 41.54,34.29 SW1.1
  Bottom w0.3: U5.1 164.62,57.53 160.4,53.3 v1(160.4,52.6)
Net-(SW2-Pad1): length 135.1
  Top w0.3: SW2.1 52.3,54.5 SW2.1 59.55,47.25 93.04,47.25 96.29,44 108,44 126,62 v1(159.5,62)
  Bottom w0.3: U5.2 166.78,56.88 167.7,57.8 167.7,61.2 166.9,62 v1(159.5,62)
Net-(SW3-Pad1): length 130.1
  Top w0.3: v1(161.2,51.5) 161.2,47.45 154.75,41 67.75,41 60.54,33.79 SW3.1 ; SW3.1 63.9,21.47 SW3.1
  Bottom w0.3: v1(161.2,51.5) 161.2,53 164.43,56.22 165.7,56.22
Net-(SW4-Pad1): length 120.3
  Top w0.3: v1(168.2,62.7) 168.1,62.8 126.09,62.8 107.79,44.5 96.5,44.5 93.25,47.75 78.05,47.75 SW4.1 70.2,53.8 SW4.1
  Bottom w0.3: v1(168.2,62.7) 169.3,61.6 169.3,57.8 167.07,55.57 U5.4
Net-(SW5-Pad1): length 110.4
  Top w0.3: SW5.1 82.9,21.47 SW5.1 ; v1(162,52.6) 162,47.5 155,40.5 86.25,40.5 79.54,33.79 SW5.1
  Bottom w0.3: v1(162,52.6) 162,52.7 164.22,54.93 U5.5
Net-(SW6-Pad1): length 91.6
  Top w0.3: SW6.1 98.54,35.04 103.5,40 155.25,40 163,47.75 v1(163,50.5) ; SW6.1 100,22.77 SW6.1
  Bottom w0.3: v1(163,50.5) 163,52.55 164.72,54.28 U5.6
